# KiCad board jetson-agx-thor-baseboard.kicad_pcb (continued)
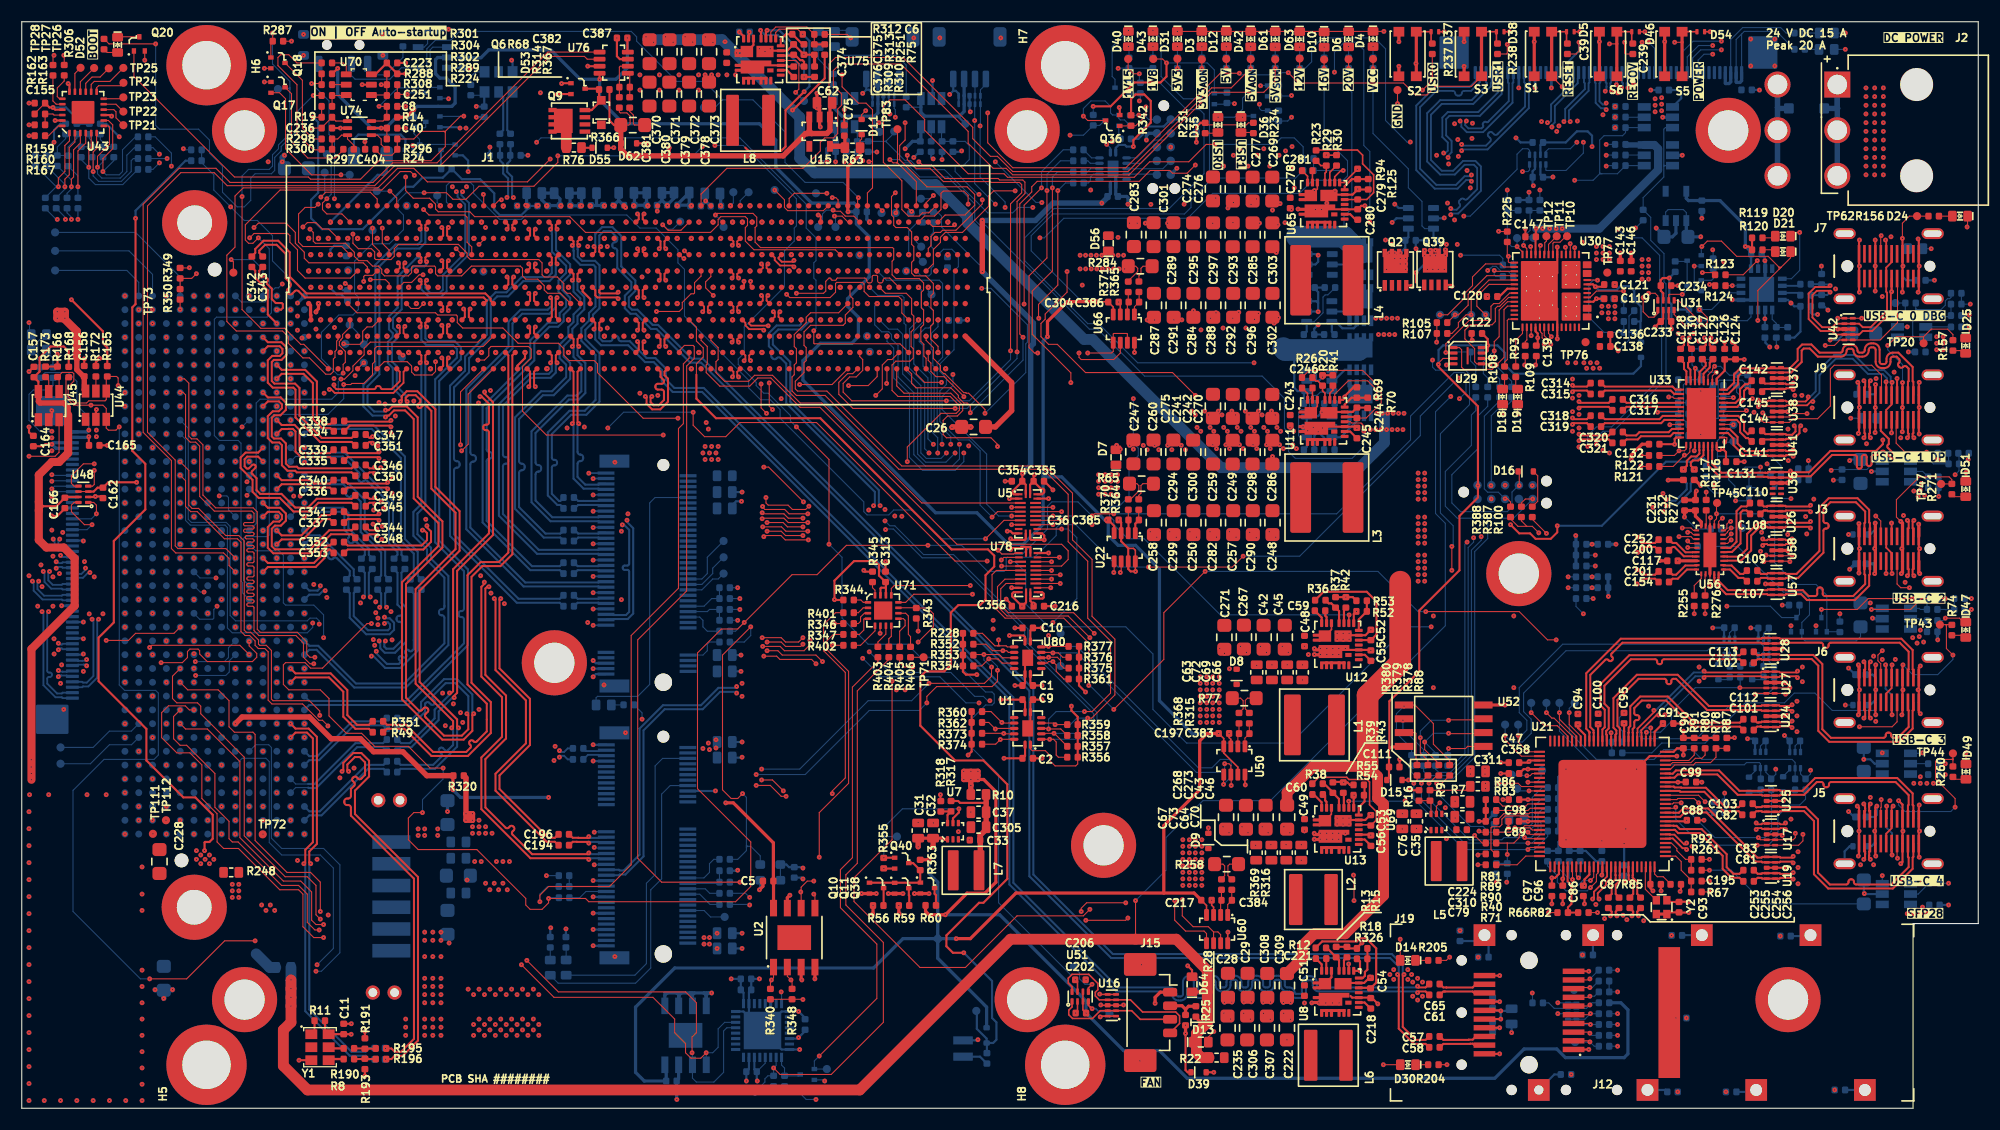
[diagram p0: board, top side]
## Routing (per net, layer and track width the routed paths; a pad name or vN(x,y) marks a point on that pad's centre or on a via; arc(x,y) is an arc through that point) (continued)
/SoM_IO2/DP2.TX2_C+: length 38.6
  Top w0.19: v1(39.25,72.06) 39.14,71.95 39.14,71.33 J1.C15 ; C336.2 29.67,56.81 29.99,57.13 33.55,57.13 v1(33.67,57.01)
  In7.Cu w0.15: v1(33.67,57.01) 33.83,57.17 35.53,57.17 35.79,57.44 arc(35.88,57.47) 35.96,57.44 36.35,57.05 arc(36.63,56.94) 36.91,57.05 37.01,57.14 arc(37.12,57.42) 37.01,57.71 35.51,59.2 arc(35.48,59.29) 35.51,59.37 35.6,59.46 arc(35.69,59.5) 35.78,59.46 37.62,57.62 arc(37.91,57.5) 38.19,57.62 38.28,57.71 arc(38.39,57.99) 38.28,58.27 36.43,60.12 arc(36.39,60.21) 36.43,60.29 36.52,60.38 arc(36.61,60.42) 36.7,60.38 38.54,58.54 arc(38.82,58.42) 39.11,58.54 39.2,58.63 arc(39.31,58.91) 39.2,59.19 38.46,59.93 arc(38.42,60.02) 38.46,60.1 40.41,62.05 40.41,66.57 39.81,67.17 39.81,68.25 40.41,68.85 40.41,69.77 39.09,71.09 39.09,71.9 v1(39.25,72.06)
/SoM_IO2/DP2.TX2_C-: length 38.6
  Top w0.19: J1.C14 38.77,71.33 38.77,71.95 v1(38.65,72.06) ; 29.67,57.81 29.99,57.5 33.55,57.5 v1(33.67,57.61)
  In7.Cu w0.15: v1(38.65,72.06) 38.81,71.9 38.81,70.97 40.13,69.65 40.13,68.97 39.53,68.37 39.53,67.05 40.13,66.45 40.13,63.03 arc(40.09,62.92) 39.97,62.87 39.93,62.87 arc(39.81,62.82) 39.77,62.71 39.77,62.63 arc(39.81,62.52) 39.93,62.47 39.97,62.47 arc(40.09,62.42) 40.13,62.31 40.13,62.17 38.26,60.3 arc(38.15,60.02) 38.26,59.74 39,59 arc(39.04,58.91) 39,58.82 38.91,58.73 arc(38.82,58.69) 38.74,58.73 36.89,60.58 arc(36.61,60.69) 36.33,60.58 36.24,60.49 arc(36.12,60.21) 36.24,59.92 38.08,58.08 arc(38.12,57.99) 38.08,57.9 37.99,57.81 arc(37.91,57.78) 37.82,57.81 35.97,59.66 arc(35.69,59.78) 35.41,59.66 35.32,59.57 arc(35.2,59.29) 35.32,59 36.81,57.51 arc(36.85,57.42) 36.81,57.34 36.72,57.25 arc(36.63,57.21) 36.55,57.25 36.16,57.63 arc(35.88,57.75) 35.6,57.63 35.41,57.45 33.83,57.45 v1(33.67,57.61)
/SoM_IO2/DP2.TX3_C+: length 37.7
  Top w0.19: C337.2 29.67,53.91 29.99,54.23 32.75,54.23 v1(32.87,54.11) ; J1.G15 39.14,77.33 39.14,77.9 v1(39.25,78.01)
  In7.Cu w0.15: v1(32.87,54.11) 33.03,54.27 33.43,54.27 34.01,54.85 34.01,55.97 33.01,56.97 33.01,57.85 34.61,59.45 34.61,61.17 34.13,61.65 33.83,61.65 33.56,61.92 33.56,62.77 32.41,63.92 32.41,65.15 32.93,65.68 arc(33.05,65.96) 32.93,66.24 32.79,66.38 arc(32.75,66.47) 32.79,66.56 32.88,66.65 arc(32.97,66.68) 33.05,66.65 33.85,65.85 arc(34.13,65.74) 34.41,65.85 34.5,65.94 arc(34.62,66.23) 34.5,66.51 34.22,66.79 arc(34.18,66.88) 34.22,66.96 34.61,67.35 34.61,71.07 34.11,71.57 34.11,73.05 35.93,74.87 36.93,74.87 39.09,77.03 39.09,77.85 v1(39.25,78.01)
/SoM_IO2/DP2.TX3_C-: length 37.7
  Top w0.19: v1(38.65,78.01) 38.77,77.9 38.77,77.33 J1.G14 ; C341.2 29.67,54.91 29.99,54.6 32.75,54.6 v1(32.87,54.71)
  In7.Cu w0.15: v1(38.65,78.01) 38.81,77.85 38.81,77.15 36.81,75.15 35.81,75.15 33.83,73.17 33.83,71.45 34.33,70.95 34.33,67.47 34.02,67.16 arc(33.91,66.88) 34.02,66.6 34.31,66.31 arc(34.34,66.23) 34.31,66.14 34.22,66.05 arc(34.13,66.01) 34.04,66.05 33.25,66.84 arc(32.97,66.96) 32.69,66.84 32.59,66.75 arc(32.48,66.47) 32.59,66.19 32.74,66.05 arc(32.77,65.96) 32.74,65.87 32.13,65.27 32.13,63.8 33.28,62.65 33.28,61.8 33.71,61.37 34.01,61.37 34.33,61.05 34.33,59.57 32.73,57.97 32.73,57.92 arc(32.68,57.79) 32.55,57.74 32.53,57.74 arc(32.4,57.68) 32.35,57.56 32.35,57.47 arc(32.4,57.34) 32.53,57.29 32.55,57.29 arc(32.68,57.23) 32.73,57.11 32.73,56.85 33.73,55.85 33.73,54.97 33.31,54.55 33.03,54.55 v1(32.87,54.71)
/SoM_IO2/DP3.AUX_C+: length 45
  Top w0.19: v1(44.65,76.51) 44.77,76.4 44.77,75.83 J1.F20 ; C352.1 29.67,52.11 29.99,51.8 36.79,51.8 37.28,52.29 37.28,52.93 37.01,53.21 v1(36.87,53.21)
  In5.Cu w0.15: v1(44.65,76.51) 44.81,76.35 44.81,76.17 45.21,75.77 45.83,75.77 46.33,76.27 47.71,76.27 48.13,75.85 48.13,75.07 46.51,73.45 45.27,73.45 arc(45.15,73.49) 45.11,73.61 45.11,73.77 arc(45.06,73.88) 44.95,73.93 44.87,73.93 arc(44.75,73.88) 44.71,73.77 44.71,73.61 arc(44.66,73.49) 44.55,73.45 43.41,73.45 42.83,72.87 42.83,68.67 36.13,61.97 36.13,54.15 36.87,53.42 v1(36.87,53.21)
/SoM_IO2/DP3.AUX_C-: length 45
  Top w0.19: v1(45.25,76.51) 45.14,76.4 45.14,75.83 J1.F21 ; v1(37.27,53.61) 37.27,53.47 37.65,53.09 37.65,52.13 36.95,51.43 29.99,51.43 29.67,51.11 C353.1
  In5.Cu w0.15: v1(45.25,76.51) 45.09,76.35 45.09,76.29 45.33,76.05 45.71,76.05 46.21,76.55 47.83,76.55 48.41,75.97 48.41,74.95 46.63,73.17 43.53,73.17 43.11,72.75 43.11,68.55 36.41,61.85 36.41,54.27 37.06,53.61 v1(37.27,53.61)
/SoM_IO2/DP3.TX0_C+: length 91.9
  Top w0.19: v1(32.67,53.31) 32.55,53.2 31.99,53.2 31.67,53.51 C344.2 ; v1(57.25,71.61) 57.14,71.73 57.14,72.3 J1.D33
  In7.Cu w0.15: v1(32.67,53.31) 32.83,53.15 34.01,53.15 36.06,55.2 36.89,55.2 arc(36.98,55.23) 37.02,55.32 37.02,56.58 arc(37.13,56.86) 37.41,56.98 37.54,56.98 arc(37.82,56.86) 37.94,56.58 37.94,53.79 arc(37.98,53.71) 38.06,53.67 38.19,53.67 arc(38.28,53.71) 38.32,53.79 38.32,56.58 arc(38.43,56.86) 38.71,56.98 38.84,56.98 arc(39.12,56.86) 39.24,56.58 39.24,55.32 arc(39.28,55.23) 39.36,55.2 39.48,55.2 40.46,54.22 40.46,53.68 arc(40.49,53.59) 40.58,53.56 40.74,53.56 arc(41.02,53.44) 41.14,53.16 41.14,53.03 arc(41.02,52.75) 40.74,52.63 38.8,52.63 arc(38.71,52.6) 38.68,52.51 38.68,52.38 arc(38.71,52.29) 38.8,52.26 40.74,52.26 arc(41.02,52.14) 41.14,51.86 41.14,51.73 arc(41.02,51.45) 40.74,51.33 38.8,51.33 arc(38.71,51.3) 38.68,51.21 38.68,51.08 arc(38.71,50.99) 38.8,50.96 40.74,50.96 arc(41.02,50.84) 41.14,50.56 41.14,50.43 arc(41.02,50.15) 40.74,50.03 39.25,50.03 arc(39.16,50) 39.13,49.91 39.13,49.78 arc(39.16,49.69) 39.25,49.66 40.74,49.66 arc(41.02,49.54) 41.14,49.26 41.14,49.13 arc(41.02,48.85) 40.74,48.73 38.8,48.73 arc(38.71,48.7) 38.68,48.61 38.68,48.48 arc(38.71,48.39) 38.8,48.36 40.74,48.36 arc(41.02,48.24) 41.14,47.96 41.14,47.83 arc(41.02,47.55) 40.74,47.43 38.8,47.43 arc(38.71,47.4) 38.68,47.31 38.68,47.18 arc(38.71,47.09) 38.8,47.06 41.14,47.06 arc(41.42,46.94) 41.54,46.66 41.54,46.53 arc(41.42,46.25) 41.14,46.13 40.58,46.13 arc(40.49,46.1) 40.46,46.01 40.46,45.92 40.73,45.65 44.21,45.65 44.83,46.27 44.83,50.45 43.83,51.45 43.83,60.47 46.91,63.55 48.01,63.55 49.31,64.85 51.11,64.85 54.73,68.47 54.73,71.07 56.11,72.45 56.73,72.45 57.09,72.09 57.09,71.77 v1(57.25,71.61)
/SoM_IO2/DP3.TX0_C-: length 91.9
  Top w0.19: v1(56.65,71.61) 56.77,71.73 56.77,72.3 J1.D32 ; v1(32.67,52.71) 32.55,52.83 31.99,52.83 31.67,52.51 C348.2
  In7.Cu w0.15: v1(56.65,71.61) 56.81,71.77 56.81,71.97 56.61,72.17 56.23,72.17 55.66,71.6 arc(55.61,71.5) 55.66,71.4 55.7,71.36 arc(55.75,71.26) 55.7,71.16 55.65,71.11 arc(55.56,71.07) 55.46,71.11 55.41,71.16 arc(55.31,71.2) 55.21,71.16 55.01,70.95 55.01,68.35 51.23,64.57 49.43,64.57 48.13,63.27 47.03,63.27 44.11,60.35 44.11,51.57 45.11,50.57 45.11,46.15 44.33,45.37 40.61,45.37 40.18,45.8 40.18,46.01 arc(40.3,46.29) 40.58,46.41 41.14,46.41 arc(41.22,46.44) 41.26,46.53 41.26,46.66 arc(41.22,46.75) 41.14,46.78 38.8,46.78 arc(38.52,46.9) 38.4,47.18 38.4,47.31 arc(38.52,47.59) 38.8,47.71 40.74,47.71 arc(40.82,47.74) 40.86,47.83 40.86,47.96 arc(40.82,48.05) 40.74,48.08 38.8,48.08 arc(38.52,48.2) 38.4,48.48 38.4,48.61 arc(38.52,48.89) 38.8,49.01 40.74,49.01 arc(40.82,49.04) 40.86,49.13 40.86,49.26 arc(40.82,49.35) 40.74,49.38 39.25,49.38 arc(38.97,49.5) 38.85,49.78 38.85,49.91 arc(38.97,50.19) 39.25,50.31 40.74,50.31 arc(40.82,50.34) 40.86,50.43 40.86,50.56 arc(40.82,50.65) 40.74,50.68 38.8,50.68 arc(38.52,50.8) 38.4,51.08 38.4,51.21 arc(38.52,51.49) 38.8,51.61 40.74,51.61 arc(40.82,51.64) 40.86,51.73 40.86,51.86 arc(40.82,51.95) 40.74,51.98 38.8,51.98 arc(38.52,52.1) 38.4,52.38 38.4,52.51 arc(38.52,52.79) 38.8,52.91 40.74,52.91 arc(40.82,52.94) 40.86,53.03 40.86,53.16 arc(40.82,53.25) 40.74,53.28 40.58,53.28 arc(40.3,53.4) 40.18,53.68 40.18,54.1 39.36,54.92 arc(39.08,55.04) 38.97,55.32 38.97,56.58 arc(38.93,56.66) 38.84,56.7 38.71,56.7 arc(38.63,56.66) 38.59,56.58 38.59,53.79 arc(38.47,53.51) 38.19,53.39 38.06,53.39 arc(37.78,53.51) 37.67,53.79 37.67,56.58 arc(37.63,56.66) 37.54,56.7 37.41,56.7 arc(37.33,56.66) 37.29,56.58 37.29,55.32 arc(37.17,55.04) 36.89,54.92 36.18,54.92 34.13,52.87 32.83,52.87 v1(32.67,52.71)
/SoM_IO2/DP3.TX1_C+: length 90.2
  Top w0.19: C345.2 31.67,55.41 31.99,55.73 32.35,55.73 v1(32.47,55.61) ; J1.J35 59.14,79.8 59.14,79.23 v1(59.25,79.11)
  In7.Cu w0.15: v1(32.47,55.61) 32.31,55.77 31.93,55.77 31.31,55.15 31.31,54.11 arc(31.35,54.01) 31.45,53.97 31.65,53.97 arc(31.75,53.93) 31.79,53.83 31.79,53.76 arc(31.75,53.66) 31.65,53.62 31.45,53.62 arc(31.35,53.58) 31.31,53.48 31.31,51.77 31.93,51.15 33.83,51.15 34.34,50.63 arc(34.43,50.6) 34.51,50.63 36.2,52.31 arc(36.48,52.43) 36.76,52.31 36.85,52.22 arc(36.97,51.94) 36.85,51.66 34.83,49.64 arc(34.8,49.58) 34.83,49.51 34.97,49.37 arc(35.03,49.35) 35.09,49.37 37.12,51.39 arc(37.4,51.51) 37.68,51.39 37.77,51.3 arc(37.89,51.02) 37.77,50.74 35.75,48.72 arc(35.72,48.66) 35.75,48.6 35.89,48.45 arc(35.95,48.43) 36.01,48.45 37.75,50.19 arc(38.03,50.31) 38.31,50.19 38.41,50.1 arc(38.52,49.82) 38.41,49.54 36.67,47.8 arc(36.64,47.74) 36.67,47.68 36.81,47.53 arc(36.87,47.51) 36.93,47.53 arc(37.19,47.64) 37.44,47.53 40.13,44.85 44.61,44.85 45.63,45.87 45.63,52.35 45.43,52.55 45.43,60.07 47.91,62.55 48.51,62.55 49.71,63.75 54.11,63.75 55.93,65.57 55.93,66.57 56.91,67.55 58.56,67.55 60.78,69.77 60.78,71.86 arc(60.74,71.97) 60.62,72.02 60.46,72.02 arc(60.35,72.07) 60.3,72.18 60.3,72.26 arc(60.35,72.37) 60.46,72.42 60.62,72.42 arc(60.74,72.47) 60.78,72.58 60.78,72.66 arc(60.74,72.77) 60.62,72.82 60.36,72.82 arc(60.25,72.87) 60.2,72.98 60.2,73.06 arc(60.25,73.17) 60.36,73.22 60.62,73.22 arc(60.74,73.27) 60.78,73.38 60.78,77.35 60.03,78.1 60.03,79.25 59.71,79.57 59.33,79.57 59.09,79.33 59.09,79.27 v1(59.25,79.11)
/SoM_IO2/DP3.TX1_C-: length 90.2
  Top w0.19: J1.J34 58.77,79.8 58.77,79.23 v1(58.65,79.11) ; v1(32.47,56.21) 32.35,56.1 31.99,56.1 31.67,56.41 C349.2
  In7.Cu w0.15: v1(58.65,79.11) 58.81,79.27 58.81,79.45 59.21,79.85 59.83,79.85 60.31,79.37 60.31,78.22 61.06,77.47 61.06,69.65 58.68,67.27 57.03,67.27 56.21,66.45 56.21,65.45 54.23,63.47 49.83,63.47 48.63,62.27 48.03,62.27 45.71,59.95 45.71,52.67 45.91,52.47 45.91,45.75 44.73,44.57 40.01,44.57 37.25,47.34 arc(37.19,47.36) 37.12,47.34 arc(36.87,47.23) 36.61,47.34 36.47,47.48 arc(36.36,47.74) 36.47,47.99 38.21,49.73 arc(38.25,49.82) 38.21,49.91 38.12,50 arc(38.03,50.03) 37.95,50 36.21,48.26 arc(35.95,48.15) 35.69,48.26 35.55,48.4 arc(35.45,48.66) 35.55,48.91 37.57,50.93 arc(37.61,51.02) 37.57,51.11 37.48,51.2 arc(37.4,51.24) 37.31,51.2 35.29,49.18 arc(35.03,49.07) 34.78,49.18 34.63,49.32 arc(34.53,49.58) 34.63,49.83 36.66,51.85 arc(36.69,51.94) 36.66,52.03 36.56,52.12 arc(36.48,52.15) 36.39,52.12 34.71,50.44 arc(34.43,50.32) 34.15,50.44 33.71,50.87 31.81,50.87 31.03,51.65 31.03,55.27 31.81,56.05 32.31,56.05 v1(32.47,56.21)
/SoM_IO2/DP3.TX2_C+: length 90.4
  Top w0.19: v1(32.47,59.01) 32.35,58.9 31.99,58.9 31.67,59.21 C346.2 ; v1(57.97,65.51) 57.85,65.4 57.85,64.99 58.15,64.7 58.59,64.7 59.08,65.19 59.08,65.94 arc(59.02,66.08) 58.87,66.15 58.51,66.15 arc(58.36,66.21) 58.3,66.36 58.3,66.47 arc(58.36,66.61) 58.51,66.68 58.87,66.68 arc(59.02,66.74) 59.08,66.89 59.08,67 58.77,67.32 58.77,67.8 J1.A34
  In7.Cu w0.15: v1(32.47,59.01) 32.31,58.85 31.21,58.85 29.93,57.57 29.93,51.15 31.01,50.07 33.11,50.07 39.41,43.77 45.13,43.77 46.81,45.45 46.81,48.11 arc(46.84,48.18) 46.91,48.21 46.93,48.21 arc(47.2,48.32) 47.31,48.59 47.31,48.71 arc(47.2,48.98) 46.93,49.09 46.91,49.09 arc(46.84,49.12) 46.81,49.19 46.81,49.31 arc(46.84,49.38) 46.91,49.41 46.93,49.41 arc(47.2,49.52) 47.31,49.79 47.31,49.91 arc(47.2,50.18) 46.93,50.29 46.91,50.29 arc(46.84,50.32) 46.81,50.39 46.81,50.51 arc(46.84,50.58) 46.91,50.61 46.93,50.61 arc(47.2,50.72) 47.31,50.99 47.31,51.11 arc(47.2,51.38) 46.93,51.49 46.91,51.49 arc(46.84,51.52) 46.81,51.59 46.81,51.71 arc(46.84,51.78) 46.91,51.81 46.93,51.81 arc(47.2,51.92) 47.31,52.19 47.31,52.31 arc(47.2,52.58) 46.93,52.69 46.46,52.69 arc(46.4,52.71) 46.38,52.76 46.38,52.94 arc(46.4,52.99) 46.46,53.01 46.93,53.01 arc(47.2,53.12) 47.31,53.39 47.31,53.51 arc(47.2,53.78) 46.93,53.89 46.41,53.89 arc(46.33,53.92) 46.3,53.99 46.3,54.11 arc(46.33,54.18) 46.41,54.21 46.93,54.21 arc(47.2,54.32) 47.31,54.59 47.31,54.71 arc(47.2,54.98) 46.93,55.09 46.41,55.09 arc(46.33,55.12) 46.3,55.19 46.3,55.31 arc(46.33,55.38) 46.41,55.41 46.93,55.41 arc(47.2,55.52) 47.31,55.79 47.31,55.91 arc(47.2,56.18) 46.93,56.29 46.41,56.29 arc(46.33,56.32) 46.3,56.39 46.3,56.51 arc(46.33,56.58) 46.41,56.61 46.93,56.61 arc(47.2,56.72) 47.31,56.99 47.31,57.11 arc(47.2,57.38) 46.93,57.49 46.41,57.49 arc(46.33,57.52) 46.3,57.59 46.3,57.71 arc(46.33,57.78) 46.41,57.81 47.93,57.81 arc(48.2,57.92) 48.31,58.19 48.31,58.31 arc(48.2,58.58) 47.93,58.69 46.91,58.69 arc(46.84,58.72) 46.81,58.79 46.81,59.25 49.03,61.47 49.17,61.47 arc(49.44,61.58) 49.55,61.85 49.55,61.91 arc(49.58,61.98) 49.65,62.01 49.77,62.01 arc(49.84,61.98) 49.87,61.91 49.87,60.71 arc(49.98,60.45) 50.25,60.34 50.37,60.34 arc(50.64,60.45) 50.75,60.71 50.75,62.21 arc(50.78,62.28) 50.85,62.31 50.97,62.31 arc(51.04,62.28) 51.07,62.21 51.07,61.01 arc(51.18,60.75) 51.45,60.64 51.57,60.64 arc(51.84,60.75) 51.95,61.01 51.95,61.96 arc(51.98,62.03) 52.05,62.06 52.17,62.06 arc(52.24,62.03) 52.27,61.96 52.27,61.01 arc(52.38,60.75) 52.65,60.64 52.77,60.64 arc(53.04,60.75) 53.15,61.01 53.15,62.06 arc(53.18,62.13) 53.25,62.16 53.37,62.16 arc(53.44,62.13) 53.47,62.06 53.47,61.01 arc(53.58,60.75) 53.85,60.64 53.97,60.64 arc(54.24,60.75) 54.35,61.01 54.35,62.01 arc(54.38,62.08) 54.45,62.11 54.57,62.11 arc(54.64,62.08) 54.67,62.01 54.67,61.85 arc(54.78,61.58) 55.05,61.47 55.93,61.47 57.81,63.35 57.81,65.35 v1(57.97,65.51)
/SoM_IO2/DP3.TX2_C-: length 90.4
  Top w0.19: v1(32.47,58.41) 32.35,58.53 31.99,58.53 31.67,58.21 C350.2 ; v1(57.37,65.51) 57.48,65.4 57.48,64.83 57.99,64.33 58.75,64.33 59.45,65.03 59.45,67.15 59.14,67.47 59.14,67.8 J1.A35
  In7.Cu w0.15: v1(57.37,65.51) 57.53,65.35 57.53,63.47 55.81,61.75 55.05,61.75 arc(54.98,61.78) 54.95,61.85 54.95,62.01 arc(54.84,62.27) 54.57,62.39 54.45,62.39 arc(54.18,62.27) 54.07,62.01 54.07,61.01 arc(54.04,60.94) 53.97,60.91 53.85,60.91 arc(53.78,60.94) 53.75,61.01 53.75,62.06 arc(53.64,62.32) 53.37,62.44 53.25,62.44 arc(52.98,62.32) 52.87,62.06 52.87,61.01 arc(52.84,60.94) 52.77,60.91 52.65,60.91 arc(52.58,60.94) 52.55,61.01 52.55,61.96 arc(52.44,62.22) 52.17,62.34 52.05,62.34 arc(51.78,62.22) 51.67,61.96 51.67,61.01 arc(51.64,60.94) 51.57,60.91 51.45,60.91 arc(51.38,60.94) 51.35,61.01 51.35,62.21 arc(51.24,62.47) 50.97,62.59 50.85,62.59 arc(50.58,62.47) 50.47,62.21 50.47,60.71 arc(50.44,60.64) 50.37,60.61 50.25,60.61 arc(50.18,60.64) 50.15,60.71 50.15,61.91 arc(50.04,62.17) 49.77,62.29 49.65,62.29 arc(49.38,62.17) 49.27,61.91 49.27,61.85 arc(49.24,61.78) 49.17,61.75 48.91,61.75 46.53,59.37 46.53,58.79 arc(46.64,58.52) 46.91,58.41 47.93,58.41 arc(48,58.38) 48.03,58.31 48.03,58.19 arc(48,58.12) 47.93,58.09 46.41,58.09 arc(46.14,57.98) 46.03,57.71 46.03,57.59 arc(46.14,57.32) 46.41,57.21 46.93,57.21 arc(47,57.18) 47.03,57.11 47.03,56.99 arc(47,56.92) 46.93,56.89 46.41,56.89 arc(46.14,56.78) 46.03,56.51 46.03,56.39 arc(46.14,56.12) 46.41,56.01 46.93,56.01 arc(47,55.98) 47.03,55.91 47.03,55.79 arc(47,55.72) 46.93,55.69 46.41,55.69 arc(46.14,55.58) 46.03,55.31 46.03,55.19 arc(46.14,54.92) 46.41,54.81 46.93,54.81 arc(47,54.78) 47.03,54.71 47.03,54.59 arc(47,54.52) 46.93,54.49 46.41,54.49 arc(46.14,54.38) 46.03,54.11 46.03,53.99 arc(46.14,53.72) 46.41,53.61 46.93,53.61 arc(47,53.58) 47.03,53.51 47.03,53.39 arc(47,53.32) 46.93,53.29 46.46,53.29 arc(46.21,53.18) 46.11,52.94 46.11,52.76 arc(46.21,52.52) 46.46,52.41 46.93,52.41 arc(47.01,52.38) 47.04,52.31 47.04,52.19 arc(47.01,52.12) 46.93,52.09 46.91,52.09 arc(46.64,51.98) 46.53,51.71 46.53,51.59 arc(46.64,51.32) 46.91,51.21 46.93,51.21 arc(47.01,51.18) 47.04,51.11 47.04,50.99 arc(47.01,50.92) 46.93,50.89 46.91,50.89 arc(46.64,50.78) 46.53,50.51 46.53,50.39 arc(46.64,50.12) 46.91,50.01 46.93,50.01 arc(47.01,49.98) 47.04,49.91 47.04,49.79 arc(47.01,49.72) 46.93,49.69 46.91,49.69 arc(46.64,49.58) 46.53,49.31 46.53,49.19 arc(46.64,48.92) 46.91,48.81 46.93,48.81 arc(47.01,48.78) 47.04,48.71 47.04,48.59 arc(47.01,48.52) 46.93,48.49 46.91,48.49 arc(46.64,48.38) 46.53,48.11 46.53,45.57 45.01,44.05 39.53,44.05 33.23,50.35 31.13,50.35 30.21,51.27 30.21,57.45 30.38,57.63 arc(30.55,57.7) 30.72,57.63 31.01,57.34 arc(31.17,57.27) 31.34,57.34 31.43,57.43 arc(31.5,57.6) 31.43,57.77 31.15,58.05 arc(31.08,58.22) 31.15,58.39 31.33,58.57 32.31,58.57 v1(32.47,58.41)
/SoM_IO2/DP3.TX3_C+: length 89
  Top w0.19: C347.2 31.67,62.01 31.99,61.7 32.15,61.7 v1(32.27,61.81) ; v1(56.65,79.11) 56.77,79 56.77,78.83 J1.H32
  In7.Cu w0.15: v1(56.65,79.11) 56.81,79.27 56.81,80.35 57.31,80.85 60.53,80.85 61.01,80.37 61.01,80.02 61.71,79.32 61.71,78.32 62.31,77.72 62.31,76.4 61.91,76 61.91,75.22 62.31,74.82 62.31,73.65 61.76,73.1 61.76,72.42 62.41,71.77 62.41,70.45 61.81,69.85 61.81,69.22 62.36,68.67 62.36,66.3 56.13,60.07 51.13,60.07 47.91,56.85 47.91,45.35 45.53,42.97 38.81,42.97 32.81,48.97 30.91,48.97 29.03,50.85 29.03,58.37 30.93,60.27 30.93,61.07 31.51,61.65 32.11,61.65 v1(32.27,61.81)
/SoM_IO2/DP3.TX3_C-: length 89
  Top w0.19: v1(57.25,79.11) 57.14,79 57.14,78.83 J1.H33 ; v1(32.27,61.21) 32.15,61.33 31.99,61.33 31.67,61.01 C351.2
  In7.Cu w0.15: v1(57.25,79.11) 57.09,79.27 57.09,80.23 57.43,80.57 57.89,80.57 arc(58,80.53) 58.05,80.41 58.05,79.93 arc(58.1,79.82) 58.21,79.77 58.29,79.77 arc(58.4,79.82) 58.45,79.93 58.45,80.41 arc(58.5,80.53) 58.61,80.57 60.41,80.57 60.73,80.25 60.73,79.9 61.43,79.2 61.43,78.2 62.03,77.6 62.03,76.52 61.63,76.12 61.63,75.1 62.03,74.7 62.03,73.77 61.48,73.22 61.48,72.3 62.13,71.65 62.13,70.57 61.53,69.97 61.53,69.1 62.08,68.55 62.08,66.42 56.01,60.35 51.01,60.35 47.63,56.97 47.63,45.47 45.41,43.25 38.93,43.25 32.93,49.25 31.03,49.25 29.31,50.97 29.31,58.25 30.48,59.43 arc(30.58,59.47) 30.68,59.43 30.9,59.2 arc(31,59.16) 31.1,59.2 31.15,59.25 arc(31.19,59.35) 31.15,59.45 30.93,59.67 arc(30.88,59.77) 30.93,59.87 31.21,60.15 31.21,60.95 31.63,61.37 32.11,61.37 v1(32.27,61.21)
/SoM_IO2/JTAG_TCK: length 38.6
  Top w0.1: v1(94.82,84.71) 94.82,77.06 92.97,75.21 92.97,71.24 96.52,67.69 v1(96.52,66.79) ; v1(84.62,66.81) 83.07,66.81 82.3,67.58 J1.A60
  In2.Cu w0.1: v1(96.52,66.79) 96.12,66.39 85.04,66.39 v1(84.62,66.81)
  Bottom w0.1: v1(94.82,84.71) 94.82,85.71 95.29,86.18 R292.2
/SoM_IO2/JTAG_TDI: length 32.1
  Top w0.1: v1(94.32,84.46) 94.32,78.26 92.67,76.61 92.67,70.01 93.17,69.51 v1(93.47,69.51)
  In2.Cu w0.1: v1(93.47,69.51) 92.47,69.51 92.17,69.21 90.77,69.21 90.47,69.51 85.44,69.51 85.12,69.19 82.88,69.19 v1(82.5,69.56)
  Bottom w0.1: R293.2 95.56,87.2 94.32,85.96 v1(94.32,84.46)
/SoM_IO2/JTAG_TDO: length 27.7
  Top w0.1: v1(95.32,84.46) 95.32,75.76 93.54,73.99 93.54,72.74 v1(93.57,72.71) ; J1.D58 v1(80.69,72.56)
  In2.Cu w0.1: v1(80.69,72.56) 81.02,72.56 81.39,72.94 85.37,72.94 86.09,72.21 88.34,72.21 88.77,72.64 93.49,72.64 v1(93.57,72.71)
  Bottom w0.1: R295.2 96.02,85.16 v1(95.32,84.46)
/SoM_IO2/JTAG_TMS: length 28.6
  Top w0.1: J1.E58 v1(80.49,74.06) ; v1(92.22,74.01) 92.22,83.11 v1(93.82,84.71)
  In2.Cu w0.1: v1(92.22,74.01) 84.67,74.01 84.34,73.69 82.04,73.69 81.67,74.06 v1(80.49,74.06)
  Bottom w0.1: v1(93.82,84.71) 93.82,86.21 95.82,88.21 R294.2
/SoM_IO2/JTAG_TRST_N: length 29.8
  Top w0.1: J1.G61 83.87,77.73 83.87,79.04 84.52,79.69 84.52,80.16 84.97,80.61 86.54,80.61 88.97,83.04 88.97,83.99 89.42,84.44 v1(91.39,84.44)
  In4.Cu w0.1: v1(96.44,89.56) 96.44,86.41 v1(98.34,84.51)
  In5.Cu w0.1: v1(98.34,84.51) 97.84,84.01 93.74,84.01 93.32,84.44 v1(91.39,84.44)
  Bottom w0.1: Q28.3 99.17,90.46 R285.1 97.68,89.56 v1(96.44,89.56)
/SoM_IO2/NVDBG_SEL: length 6.6
  Bottom w0.1: v1(82.3,77.06) 82.75,76.61 83.47,76.61 83.67,76.81 83.67,77.31 83.87,77.51 83.87,79.11 83.67,79.31 83.67,80.41 83.87,80.61 R291.2
/SoM_IO2/NVJTAG_SEL: length 3.8
  Bottom w0.1: R290.2 82.39,81.53 81.6,80.74 v1(81.6,78.56)
/SoM_IO2/PCIe_{C2x1}R_CLK+: length 95
  Top w0.19: v1(29.47,31.01) 29.58,31.13 29.58,31.79 30.49,32.7 31.25,32.7 31.95,31.99 31.95,30.53 30.65,29.23 30.65,27.09 36.45,21.29 36.45,6.23 35.05,4.83 34.31,4.83 34.01,4.53 R196.2 ; v1(39.25,73.41) 39.14,73.53 39.14,73.8 J1.E15
  In5.Cu w0.15: v1(25.02,56.34) 25.18,56.51 25.18,57.2 24.91,57.47 24.39,57.47 23.93,57.93 23.93,62.24 24.59,62.9 26.87,62.9 32.73,68.76 32.73,71.57 36.11,74.95 38.28,74.95 39.09,74.14 39.09,73.57 v1(39.25,73.41)
  In7.Cu w0.15: v1(25.02,56.34) 25.18,56.18 25.18,47.73 25.59,47.32 26.71,47.32 28.56,45.48 28.56,35.33 29.63,34.25 29.63,31.17 v1(29.47,31.01)
  Bottom w0.19: R201.2 33.46,4.5 v1(33.47,4.51)
/SoM_IO2/PCIe_{C2x1}R_CLK-: length 95
  Top w0.19: v1(30.07,31.01) 29.95,31.13 29.95,31.63 30.65,32.33 31.09,32.33 31.58,31.83 31.58,30.69 31.23,30.33 arc(31.09,30.27) 30.94,30.33 30.8,30.47 arc(30.66,30.53) 30.52,30.47 30.45,30.4 arc(30.39,30.26) 30.45,30.12 30.59,29.98 arc(30.65,29.83) 30.59,29.69 30.28,29.39 30.28,28.75 arc(30.21,28.58) 30.04,28.51 29.92,28.51 arc(29.75,28.44) 29.68,28.27 29.68,28.15 arc(29.75,27.98) 29.92,27.91 30.04,27.91 arc(30.21,27.84) 30.28,27.67 30.28,26.93 36.08,21.13 36.08,6.39 34.9,5.2 34.31,5.2 34.01,5.5 R195.2 ; J1.E14 38.77,73.8 38.77,73.53 v1(38.65,73.41)
  In5.Cu w0.15: v1(38.65,73.41) 38.81,73.57 38.81,74.02 38.16,74.67 36.23,74.67 35.49,73.93 arc(35.43,73.81) 35.49,73.68 35.73,73.44 arc(35.78,73.31) 35.73,73.18 35.66,73.12 arc(35.54,73.07) 35.41,73.12 35.17,73.36 arc(35.04,73.41) 34.91,73.36 33.01,71.45 33.01,68.65 26.98,62.62 24.7,62.62 24.21,62.13 24.21,58.04 24.5,57.75 25.03,57.75 25.46,57.32 25.46,56.51 v1(25.62,56.34)
  In7.Cu w0.15: v1(25.62,56.34) 25.46,56.18 25.46,47.84 25.7,47.6 26.83,47.6 28.83,45.59 28.83,35.44 29.91,34.37 29.91,31.17 v1(30.07,31.01)
  Bottom w0.19: R202.2 33.44,5.54 v1(33.47,5.51)
/SoM_IO2/SFI_CLK+: length 4.2
  Bottom w0.19: R2.1 44.97,89.72 44.66,90.02 44.66,92.98 45.16,93.47 Y5.4
/SoM_IO2/SFI_CLK-: length 4.1
  Bottom w0.19: R3.1 43.99,89.72 44.29,90.02 44.29,93.05 43.87,93.47 Y5.5
/SoM_IO2/SFI_REFCLK+: length 26
  Top w0.19: v1(54.87,75.11) 54.75,75 53.23,75 53.14,75.09 53.14,75.3 J1.F29
  In5.Cu w0.15: v1(54.87,75.11) 54.71,74.95 53.25,74.95 arc(53.14,74.99) 53.09,75.11 53.09,75.5 arc(53.05,75.61) 52.93,75.66 52.85,75.66 arc(52.74,75.61) 52.69,75.5 52.69,75.11 arc(52.65,74.99) 52.53,74.95 50.23,74.95 49.81,75.37 49.81,76.05 50.51,76.75 50.51,77.57 48.53,79.55 47.13,79.55 46.01,80.67 46.01,81.27 45.07,82.21 45.07,83.66 v1(45.23,83.82)
  Bottom w0.19: R5.2 44.94,87.22 44.66,86.94 44.66,86.18 45.11,85.73 45.11,83.93 v1(45.23,83.82) ; R2.2 44.97,87.73
/SoM_IO2/SFI_REFCLK-: length 26
  Top w0.19: v1(54.87,74.51) 54.75,74.63 52.95,74.63 52.77,74.81 52.77,75.3 J1.F28
  In5.Cu w0.15: v1(44.64,83.83) 44.64,83.81 44.79,83.66 44.79,82.09 45.73,81.15 45.73,80.55 47.01,79.27 48.41,79.27 50.23,77.45 50.23,76.87 49.53,76.17 49.53,75.25 50.11,74.67 54.71,74.67 v1(54.87,74.51)
  Bottom w0.19: R4.2 44.01,87.22 44.29,86.94 44.29,86.03 44.74,85.57 44.74,83.93 v1(44.64,83.83) ; R3.2 43.99,87.72
/SoM_IO2/TC_JTAG_TCK: length 4.4
  Bottom w0.1: J20.4 104.98,86.47 U59.4
/SoM_IO2/TC_JTAG_TDI: length 3.4
  Bottom w0.1: J20.8 102.94,86.97 U59.3
/SoM_IO2/TC_JTAG_TDO: length 2.8
  Bottom w0.1: J20.6 104.38,85.98 U59.5
/SoM_IO2/TC_JTAG_TMS: length 5
  Bottom w0.1: U59.2 102.58,87.47 104.22,89.11 105.08,89.11 J20.2
/SoM_IO2/TC_JTAG_TRST_N: length 5.7
  Top w0.1: v1(103.42,92.16) 103.42,91.36 102.49,90.43 R342.1 102.06,90.51 101.96,90.41 Q36.1
  Bottom w0.1: v1(103.42,92.16) 103.42,91.26 103.68,91 J20.10
/SoM_IO2/TC_VCC: length 18.8
  Top w0.2: R342.2 102.06,92.9 102.47,93.31 103.27,93.31 103.87,92.71 103.87,90.71 102.27,89.11 v1(102.27,88.51)
  Bottom w0.2: R341.1 107.86,91 J20.1 105.06,90.36 103.37,90.36 103.12,90.11 103.12,89.61 102.73,89.22 C237.2 102.27,89 v1(102.27,88.51) 101.64,88.51 101.49,88.66 100.92,88.66 100.65,88.39 U59.1
/SoM_IO2/USB1.D+: length 184.7
  Top w0.17: J9.B6 172.03,62.17 v1(172.02,62.16) ; v1(159.77,64.57) 159.89,64.7 160.6,64.7 160.67,64.62 U38.2 U38.9 162.27,64.62 162.35,64.7 164.25,64.7 164.6,65.05 v1(164.78,65.05) ; v1(171.52,66.86) 171.53,66.85 J9.A6 ; v1(35.25,71.96) 35.12,71.84 35.12,71.34 J1.C11
  In2.Cu w0.125: v1(172.02,62.16) 172.02,64.36 171.52,64.86 v1(171.52,66.86)
  In7.Cu w0.125: v1(159.77,64.57) 159.96,64.76 160.28,64.76 160.63,65.11 160.63,69.11 158.02,71.72 156.82,71.72 155.58,72.96 155.58,74.96 148.77,81.77 134.87,81.77 134.32,81.22 129.92,81.22 127.14,84 116.84,84 116.34,84.5 107.97,84.5 107.32,83.85 102.89,83.85 102.72,84.02 89.52,84.02 87.63,85.91 87.63,88.26 80.02,95.87 52.72,95.87 45.61,88.76 45.61,85.96 40.96,81.31 40.96,78.81 39.51,77.36 39.51,76.61 38.76,75.86 38.76,74.61 37.52,73.37 36.97,73.37 35.96,72.36 35.96,71.86 35.62,71.52 35.17,71.52 35.06,71.63 35.06,71.77 v1(35.25,71.96)
  Bottom w0.17: v1(164.78,65.05) 164.78,65.22 165.39,65.84 165.39,67.49 166.89,68.99 168.45,68.99 169.85,67.59 171.2,67.59 171.59,67.19 171.59,66.94 v1(171.52,66.86)
